# Altium PCB PCB SOM AM625.PcbDoc (part 2 of 6) (continued)
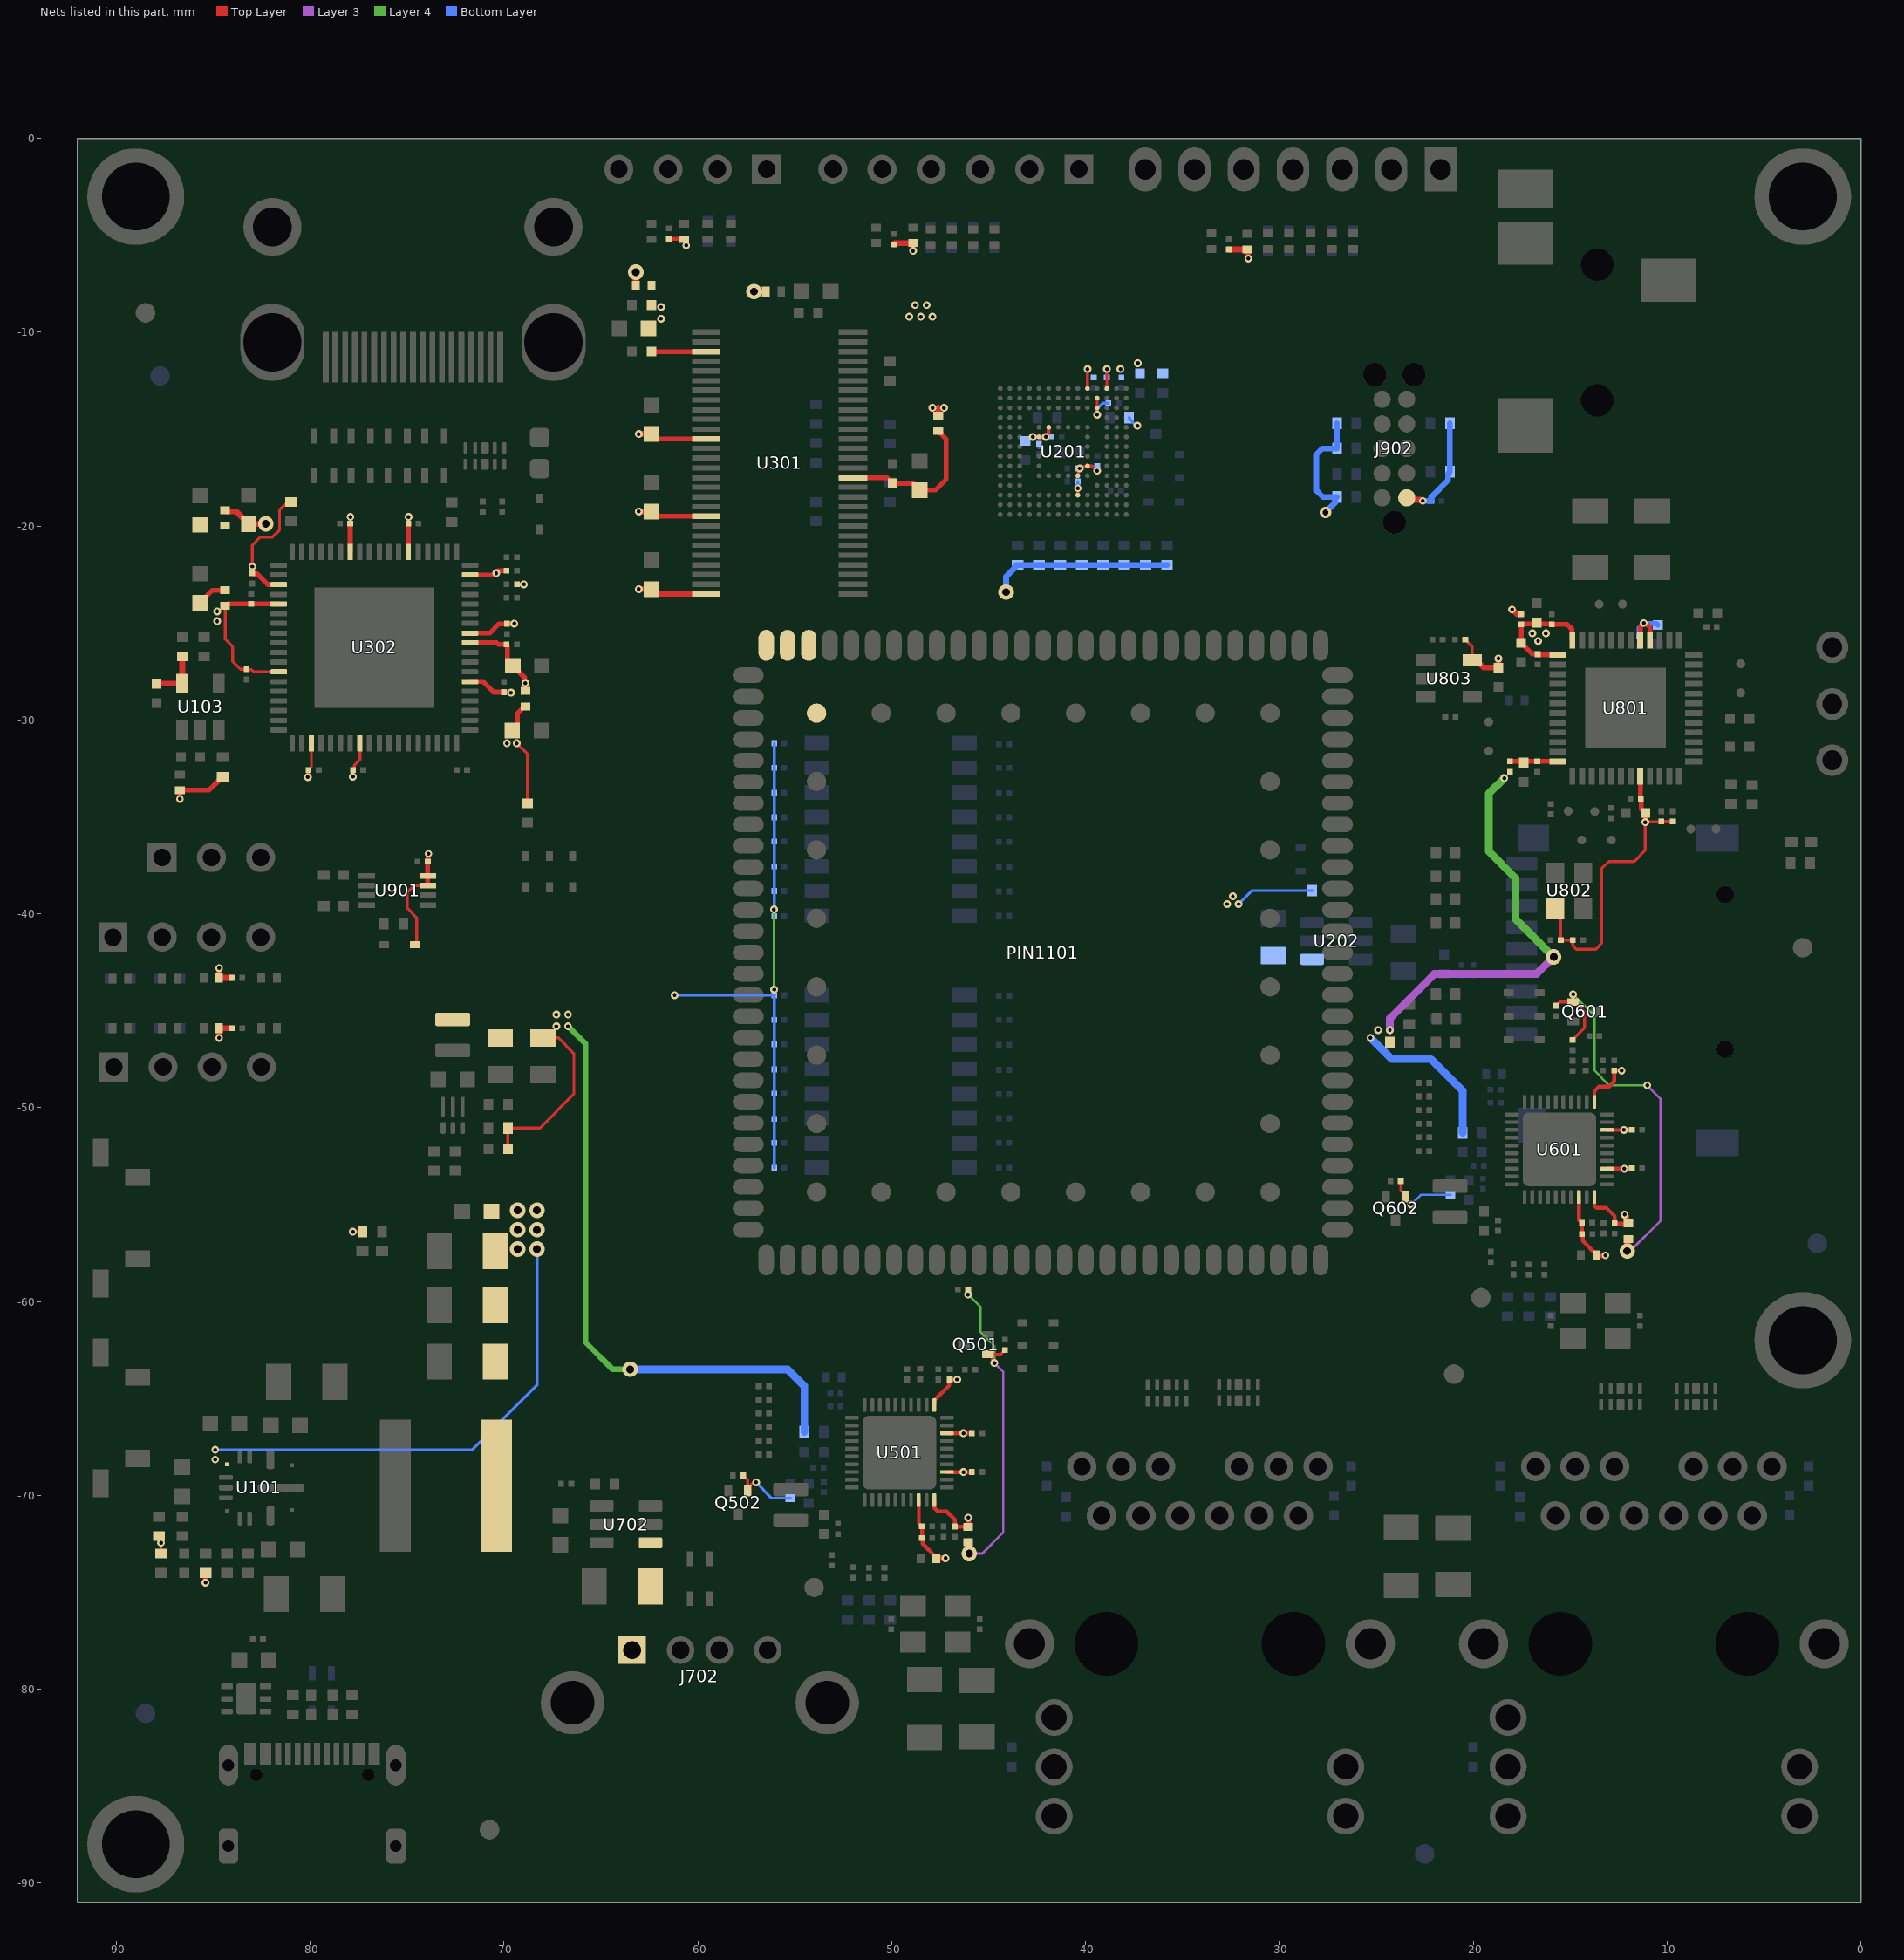
[diagram p6: the nets of this part, all layers, seen from the top]
## Part data (continued)
C302 C303 C304 C305 C307 C309: library part C1608X7R1E104K080AA, "Multilayer Ceramic Capacitor, 0.1 uF, 25 V, ± 10%, X7R, 0603 [1608 Metric]", Case/Package=0603, Case Code (Metric)=1608, Dielectric=X7R, Dielectric Material=4241ConductorMaterial, Manufacturer=TDK, Max Operating Temperature=125°C, Min Operating Temperature=-55°C, Package Quantity=4000, Tolerance=10%, VOLTAGE=25V, Capacitance=100nF, Case Code (Imperial)=0603, Category="Ceramic Capacitors", ComponentLink1Description=https://datasheet.ciiva.com/22749/1744655-22749596.pdf?src-supplier=Element14, ComponentLink1URL=https://datasheet.ciiva.com/22749/1744655-22749596.pdf?src-supplier=Element14, ComponentLink2Description=https://datasheet.ciiva.com/6250/tdkmlcccaprange-6250455.pdf?src-supplier=Digi-Key, ComponentLink2URL=https://datasheet.ciiva.com/6250/tdkmlcccaprange-6250455.pdf?src-supplier=Digi-Key, ComponentLink3Description=https://datasheet.ciiva.com/6250/tdkmlcccaprange-6250454.pdf?src-supplier=Digi-Key, ComponentLink3URL=https://datasheet.ciiva.com/6250/tdkmlcccaprange-6250454.pdf?src-supplier=Digi-Key, ComponentLink4Description=https://datasheet.ciiva.com/6250/tdkmlcccaprange-6250456.pdf?src-supplier=Digi-Key, ComponentLink4URL=https://datasheet.ciiva.com/6250/tdkmlcccaprange-6250456.pdf?src-supplier=Digi-Key, Construction=Flat, Depth=0.8mm, Height=0.8mm, Lead Free=5697LeadFree, Length=1.6mm, Manufacturer Part Number=C1608X7R1E104K080AA, Material=4241ConductorMaterial, Mount="Surface Mount", Number of Pins=2NUMBER, Packaging="Tape and Reel", Pricing 1="1=0.0528, 10=0.0066 (USD)", Reach SVHC Compliant=No, RoHS=Yes, RoHS Compliant=Yes, Series=C, Stock 1=20, Supplier 1="Arrow Electronics", Supplier Part Number 1=C1608X7R1E104K080AA, Thickness=0.037inch, Voltage Rating=25V, Width=0.031inch
C306 C308 C310: library part C0402C103K4REC7411, "ESD SMD Comm X7R 0402 (1005Metric) ceramic capacitor 0.039Lx0.020W 1.00mmx0.50mm X7R ±10% 10000pF", Manufacturer=KEMET, Supplier Part Number 1=80-C0402C103K4RECLR, Category="Ceramic Capacitors", ComponentLink1Description=https://api.kemet.com/component-edge/download/datasheet/C0402C103K4REC7411.pdf?src-supplier=Digi-Key, ComponentLink1URL=https://api.kemet.com/component-edge/download/datasheet/C0402C103K4REC7411.pdf?src-supplier=Digi-Key, Manufacturer Part Number=C0402C103K4REC7411, Pricing 1="1=0.1, 10=0.041, 50=0.041, 100=0.024, 1000=0.02, 10000=0.015 (USD)", RoHS=Yes, RoHS Compliant=Yes, Stock 1=20602, Supplier 1=Mouser
C502 C504 C506 C508 C510 C511 C512 C513 C515 C602 C604 C606 C608 C610 C611 C612 C613 C615: library part CC0201KRX5R6BB104, "Multilayer Ceramic Capacitor, 0.1 uF, 16 V, ± 10%, X5R, 0201 [0603 Metric]", Case Code (Imperial)=0201, Case Code (Metric)=0603, Dielectric=X5R, Manufacturer=Yageo, Max Operating Temperature=85°C, Min Operating Temperature=-55°C, Supplier Part Number 1=5050553, Tolerance=10%, Voltage Rating=10V, Capacitance=100nF, Case/Package=0201, Category="Ceramic Capacitors", ComponentLink1Description=https://datasheet.ciiva.com/11587/upy-gphc-x5r-4v-to-50v-12-11587190.pdf?src-supplier=Avnet, ComponentLink1URL=https://datasheet.ciiva.com/11587/upy-gphc-x5r-4v-to-50v-12-11587190.pdf?src-supplier=Avnet, Construction=Flat, Depth=0.3mm, Halogen Free=5694HalogenFree, Height=0.3mm, Lead Free=5697LeadFree, Length=0.6mm, Manufacturer Part Number=CC0201KRX5R6BB104, Material=4241ConductorMaterial, Mount="Surface Mount", Packaging="Tape and Reel", Pricing 1="15000=0.0027, 60000=0.0026, 150000=0.0025, 375000=0.0024, 600000=0.0023 (USD)", Radiation Hardening=No, RoHS=Yes, RoHS Compliant=Yes, Series=CC, Stock 1=10410000, Supplier 1="Future Electronics", Termination=SMD/SMT, Voltage Rating (DC)=10V, Weight=6E-06oz
C503 C507 C509 C603 C607 C609: library part CC0201MRX5R5BB105, "Multilayer Ceramic Capacitor, 1 uF, 50 V, ± 0.1pF, C0G (NP0), 0201 [1005 Metric]", Case Code (Imperial)=0201, Case Code (Metric)=0603, Dielectric=X5R, Manufacturer=Yageo, Max Operating Temperature=85°C, Min Operating Temperature=-55°C, Tolerance=20%, Voltage Rating=6.3V, Capacitance=1uF, Case/Package=0201, Category="Ceramic Capacitors", ComponentLink1Description=http://www.mouser.com/ds/2/447/UPY-GPHC_X5R_4V-to-50V_25-1131599.pdf?src-supplier=Mouser, ComponentLink1URL=http://www.mouser.com/ds/2/447/UPY-GPHC_X5R_4V-to-50V_25-1131599.pdf?src-supplier=Mouser, ComponentLink2Description=http://www.yageo.com/documents/recent/UPY-GPHC_X5R_4V-to-50V_25.pdf?src-supplier=Digi-Key, ComponentLink2URL=http://www.yageo.com/documents/recent/UPY-GPHC_X5R_4V-to-50V_25.pdf?src-supplier=Digi-Key, ComponentLink3Description=https://datasheet.octopart.com/CC0201MRX5R5BB105-Yageo-datasheet-140260304.pdf?src-supplier=Newark, ComponentLink3URL=https://datasheet.octopart.com/CC0201MRX5R5BB105-Yageo-datasheet-140260304.pdf?src-supplier=Newark, ComponentLink4Description=https://datasheet.octopart.com/CC0201MRX5R5BB105-Yageo-datasheet-170350636.pdf?src-supplier=Future+Electronics, ComponentLink4URL=https://datasheet.octopart.com/CC0201MRX5R5BB105-Yageo-datasheet-170350636.pdf?src-supplier=Future+Electronics, ComponentLink5Description=https://www.yageo.com/upload/media/product/productsearch/datasheet/mlcc/UPY-GPHC_X5R_4V-to-50V_26.pdf?src-supplier=Digi-Key, ComponentLink5URL=https://www.yageo.com/upload/media/product/productsearch/datasheet/mlcc/UPY-GPHC_X5R_4V-to-50V_26.pdf?src-supplier=Digi-Key, ComponentLink6Description=http://www.yageo.com/exep/pages/download/literatures/ProductSelectionGuide%202014_Final_2.pdf?src-supplier=Digi-Key, ComponentLink6URL=http://www.yageo.com/exep/pages/download/literatures/ProductSelectionGuide%202014_Final_2.pdf?src-supplier=Digi-Key, Halogen Free="Halogen Free", Height=330um, Lead Free="Lead Free", Manufacturer Part Number=CC0201MRX5R5BB105, Material=4241ConductorMaterial, Mount="Surface Mount", Packaging="Tape and Reel", Pricing 1="1=0.0528, 10=0.0235, 25=0.0164, 100=0.0113, 250=0.0112, 500=0.0095, 1000=0.0081, 3000=0.0066 (USD)", RoHS=Yes, RoHS Compliant=Yes, Series=CC, Stock 1=4273, Supplier 1="Arrow Electronics", Supplier Part Number 1=CC0201MRX5R5BB105, Termination=SMD/SMT, Voltage Rating (DC)=6.3V, Weight=6E-06oz
C516 C517 C518 C519 C520 C616 C617 C618 C619 C620: library part C1005X5R1H104K050BB, "Multilayer Ceramic Capacitor, 0.1 uF, 50 V, ± 10%, X5R, 0402 [1005 Metric]", Case Code (Imperial)=0402, Case Code (Metric)=1005, Dielectric=X5R, Manufacturer=TDK, Max Operating Temperature=85°C, Min Operating Temperature=-55°C, Supplier Part Number 1=445-5942-1-ND, Tolerance=10%, VOLTAGE=50V, Capacitance=100nF, Case/Package=0402, Category="Ceramic Capacitors", ComponentLink1Description=https://datasheet.ciiva.com/26946/getdatasheetpartid-743571-26946503.pdf?src-supplier=Verical, ComponentLink1URL=https://datasheet.ciiva.com/26946/getdatasheetpartid-743571-26946503.pdf?src-supplier=Verical, ComponentLink2Description=https://datasheet.ciiva.com/16494/e413-c-16494264.pdf?src-supplier=Future+Electronics, ComponentLink2URL=https://datasheet.ciiva.com/16494/e413-c-16494264.pdf?src-supplier=Future+Electronics, ComponentLink3Description=https://datasheet.ciiva.com/6292/tdkmlcccaprange-6292486.pdf?src-supplier=Digi-Key, ComponentLink3URL=https://datasheet.ciiva.com/6292/tdkmlcccaprange-6292486.pdf?src-supplier=Digi-Key, Construction=Flat, Depth=0.5mm, Height=0.5mm, Length=1mm, Manufacturer Part Number=C1005X5R1H104K050BB, Mount="Surface Mount", Packaging="Tape and Reel", Pricing 1="1=0.11, 10=0.076, 50=0.0438, 100=0.034, 500=0.0256, 1000=0.02011, 2500=0.01828, 5000=0.01682 (USD)", Radiation Hardening=No, Reach SVHC Compliant=Unknown, RoHS=Yes, RoHS Compliant=Yes, Series=C, Stock 1=1455249, Supplier 1=Digi-Key, Voltage Rating=50V
C521 C522 C621 C622: library part CC0201JRNPO9BN220, "0201 22 pF 50 V ±5 % Tolerance NP0 SMT Multilayer Ceramic Capacitor", Manufacturer=Yageo, Supplier Part Number 1=2014702, Category="Ceramic Capacitors", ComponentLink1Description=https://datasheet.ciiva.com/22653/1443161-22653023.pdf?src-supplier=Farnell, ComponentLink1URL=https://datasheet.ciiva.com/22653/1443161-22653023.pdf?src-supplier=Farnell, ComponentLink2Description=https://datasheet.ciiva.com/7661/1443161-7661754.pdf?src-supplier=Element14, ComponentLink2URL=https://datasheet.ciiva.com/7661/1443161-7661754.pdf?src-supplier=Element14, ComponentLink3Description=https://datasheet.ciiva.com/176/mlccorderingcode-176669.pdf?src-supplier=Digi-Key, ComponentLink3URL=https://datasheet.ciiva.com/176/mlccorderingcode-176669.pdf?src-supplier=Digi-Key, ComponentLink4Description=https://datasheet.ciiva.com/176/mlccorderingcode-176670.pdf?src-supplier=Digi-Key, ComponentLink4URL=https://datasheet.ciiva.com/176/mlccorderingcode-176670.pdf?src-supplier=Digi-Key, ComponentLink5Description=https://datasheet.ciiva.com/176/mlccorderingcode-176671.pdf?src-supplier=Digi-Key, ComponentLink5URL=https://datasheet.ciiva.com/176/mlccorderingcode-176671.pdf?src-supplier=Digi-Key, ComponentLink6Description=https://datasheet.ciiva.com/16743/upy-gp-np0-16v-to-50v-8-16743595.pdf?src-supplier=Future+Electronics, ComponentLink6URL=https://datasheet.ciiva.com/16743/upy-gp-np0-16v-to-50v-8-16743595.pdf?src-supplier=Future+Electronics, Halogen Free=5694HalogenFree, Manufacturer Part Number=CC0201JRNPO9BN220, Pricing 1="15000=0.0012, 60000=0.0011, 225000=0.0011, 600000=0.001, 1500000=0.001 (USD)", RoHS=Yes, Stock 1=2130000, Supplier 1="Future Electronics"
C523 C623: library part C1206C102KDRACAUTO, "Cap Ceramic 0.001uF 1000V X7R 10% Pad SMD 1206 125°C Low ESR Automotive Medical T/R", Dielectric Material=4241ConductorMaterial, Manufacturer=KEMET, Supplier Part Number 1=80-C1206C102KDRAUTO, Category="Ceramic Capacitors", ComponentLink1Description=http://www.mouser.com/ds/2/212/KEM_C1010_X7R_HV_SMD-345925.pdf?src-supplier=Mouser, ComponentLink1URL=http://www.mouser.com/ds/2/212/KEM_C1010_X7R_HV_SMD-345925.pdf?src-supplier=Mouser, ComponentLink2Description=https://api.kemet.com/component-edge/download/datasheet/C1206C102KDRACAUTO.pdf?src-supplier=Digi-Key, ComponentLink2URL=https://api.kemet.com/component-edge/download/datasheet/C1206C102KDRACAUTO.pdf?src-supplier=Digi-Key, ComponentLink3Description=https://api.kemet.com/component-edge/download/specsheet/C1206C102KDRACAUTO.pdf?src-supplier=Digi-Key, ComponentLink3URL=https://api.kemet.com/component-edge/download/specsheet/C1206C102KDRACAUTO.pdf?src-supplier=Digi-Key, ComponentLink4Description=http://www.farnell.com/datasheets/2747389.pdf?src-supplier=Newark, ComponentLink4URL=http://www.farnell.com/datasheets/2747389.pdf?src-supplier=Newark, ComponentLink5Description=https://datasheet.octopart.com/C1206C102KDRACAUTO-KEMET-datasheet-149525139.pdf?src-supplier=Farnell, ComponentLink5URL=https://datasheet.octopart.com/C1206C102KDRACAUTO-KEMET-datasheet-149525139.pdf?src-supplier=Farnell, Manufacturer Part Number=C1206C102KDRACAUTO, Pricing 1="1=0.29, 10=0.122, 50=0.122, 100=0.076, 1000=0.07, 10000=0.061 (USD)", RoHS=Yes, Stock 1=30132, Supplier 1=Mouser
C704: library part C3216X5R1A107M160AC, "Multilayer Ceramic Capacitor, C Series, 100 - F, - 20%, X5R, 10 V, 1206 [3216 Metric]", Case/Package=1206, Case Code (Metric)=3216, Dielectric=X5R, Dielectric Material=Ceramic, Manufacturer=TDK, Max Operating Temperature=85°C, Min Operating Temperature=-55°C, Package Quantity=1, Tolerance=20%, VOLTAGE=10V, Capacitance=100uF, Case Code (Imperial)=1206, Category="Ceramic Capacitors", ComponentLink1Description=https://datasheet.ciiva.com/24216/c3216x5r1a107m160ac-265050-24216592.pdf?src-supplier=Mouser, ComponentLink1URL=https://datasheet.ciiva.com/24216/c3216x5r1a107m160ac-265050-24216592.pdf?src-supplier=Mouser, ComponentLink2Description=https://datasheet.ciiva.com/7975/1796654-7975125.pdf?src-supplier=Element14, ComponentLink2URL=https://datasheet.ciiva.com/7975/1796654-7975125.pdf?src-supplier=Element14, ComponentLink3Description=https://datasheet.ciiva.com/22694/1796654-22694157.pdf?src-supplier=Element14, ComponentLink3URL=https://datasheet.ciiva.com/22694/1796654-22694157.pdf?src-supplier=Element14, ComponentLink4Description=https://datasheet.ciiva.com/22725/1913358-22725579.pdf?src-supplier=Element14, ComponentLink4URL=https://datasheet.ciiva.com/22725/1913358-22725579.pdf?src-supplier=Element14, ComponentLink5Description=https://datasheet.ciiva.com/28620/mlcc-commercial-general-en-28620362.pdf?src-supplier=Element14, ComponentLink5URL=https://datasheet.ciiva.com/28620/mlcc-commercial-general-en-28620362.pdf?src-supplier=Element14, ComponentLink6Description=https://datasheet.ciiva.com/6284/tdkmlcccaprange-6284586.pdf?src-supplier=Digi-Key, ComponentLink6URL=https://datasheet.ciiva.com/6284/tdkmlcccaprange-6284586.pdf?src-supplier=Digi-Key, ComponentLink7Description=https://datasheet.ciiva.com/6284/tdkmlcccaprange-6284584.pdf?src-supplier=Digi-Key, ComponentLink7URL=https://datasheet.ciiva.com/6284/tdkmlcccaprange-6284584.pdf?src-supplier=Digi-Key, ComponentLink8Description=https://datasheet.ciiva.com/6284/tdkmlcccaprange-6284588.pdf?src-supplier=Digi-Key, ComponentLink8URL=https://datasheet.ciiva.com/6284/tdkmlcccaprange-6284588.pdf?src-supplier=Digi-Key, ComponentLink9Description=https://datasheet.ciiva.com/16482/e412-c-16482549.pdf?src-supplier=Future+Electronics, ComponentLink9URL=https://datasheet.ciiva.com/16482/e412-c-16482549.pdf?src-supplier=Future+Electronics, ComponentLink10Description=https://datasheet.ciiva.com/48671/e412-c-48671366.pdf?src-supplier=Avnet, ComponentLink10URL=https://datasheet.ciiva.com/48671/e412-c-48671366.pdf?src-supplier=Avnet, Construction=Flat, Depth=1.6mm, Height=1.6mm, Lead Free="Lead Free", Length=3.2mm, Manufacturer Part Number=C3216X5R1A107M160AC, Material=4241ConductorMaterial, Mount="Surface Mount", Packaging="Tape and Reel", Pricing 1="2000=0.4841 (USD)", Reach SVHC Compliant=No, RoHS=Yes, RoHS Compliant=Yes, Series=C, Stock 1=18000, Supplier 1="Arrow Electronics", Supplier Part Number 1=C3216X5R1A107M160AC, Termination=SMD/SMT, Thickness=0.075inch, Voltage Rating=10V, Voltage Rating (DC)=10V, Weight=0.000571oz, Width=0.063inch
C801 C803 C805 C806 C809: library part GRM155R61A106ME11D, "Multilayer Ceramic Capacitor, 10 uF, 10 V, ± 20%, X5R, 0402 [1005 Metric]", Case/Package=343Case, Dielectric=1537DielectricType, Manufacturer=Murata, Max Operating Temperature=85°C, Min Operating Temperature=-55°C, Tolerance=20%, Voltage Rating=10V, Capacitance=10uF, Category="Ceramic Capacitors", ComponentLink1Description=https://datasheet.octopart.com/GRM155R61A106ME11D-Murata-datasheet-155239053.pdf?src-supplier=Element14, ComponentLink1URL=https://datasheet.octopart.com/GRM155R61A106ME11D-Murata-datasheet-155239053.pdf?src-supplier=Element14, ComponentLink2Description=https://datasheet.octopart.com/GRM155R61A106ME11D-Murata-datasheet-165579666.pdf?src-supplier=TME, ComponentLink2URL=https://datasheet.octopart.com/GRM155R61A106ME11D-Murata-datasheet-165579666.pdf?src-supplier=TME, Height=700um, Length=1mm, Manufacturer Part Number=GRM155R61A106ME11D, Material=4241ConductorMaterial, Pricing 1="1=0.08, 10=0.054, 25=0.0281 (USD)", RoHS=Yes, RoHS Compliant=Yes, Stock 1=100072, Supplier 1="Arrow Electronics", Supplier Part Number 1=GRM155R61A106ME11D, Thickness=500um, Voltage Rating (DC)=10V, Width=500um
C802 C804 C807 C808 C810 C813 C814 C818: library part GRM033R61C104KE14D, "Multilayer Ceramic Capacitor, 0.1 uF, 16 V, ± 10%, X5R, 0201 [0603 Metric]", Capacitance=100nF, Case Code (Imperial)=0201, Case Code (Metric)=0603, Dielectric=X5R, Manufacturer=Murata, Max Operating Temperature=85°C, Min Operating Temperature=-55°C, Tolerance=10%, Voltage Rating=16V, Case/Package=0201, Category="Ceramic Capacitors", ComponentLink1Description=http://www.farnell.com/datasheets/2892233.pdf?src-supplier=Farnell, ComponentLink1URL=http://www.farnell.com/datasheets/2892233.pdf?src-supplier=Farnell, ComponentLink2Description=http://www.farnell.com/datasheets/2892233.pdf?src-supplier=Newark, ComponentLink2URL=http://www.farnell.com/datasheets/2892233.pdf?src-supplier=Newark, ComponentLink3Description=http://search.murata.co.jp/Ceramy/image/img/A01X/G101/ENG/GRM033R61C104KE14-01.pdf?src-supplier=Digikey, ComponentLink3URL=http://search.murata.co.jp/Ceramy/image/img/A01X/G101/ENG/GRM033R61C104KE14-01.pdf?src-supplier=Digikey, ComponentLink4Description=https://search.murata.co.jp/Ceramy/image/img/A01X/G101/ENG/GRM033R61C104KE14-01.pdf?src-supplier=Digikey, ComponentLink4URL=https://search.murata.co.jp/Ceramy/image/img/A01X/G101/ENG/GRM033R61C104KE14-01.pdf?src-supplier=Digikey, ComponentLink5Description=https://datasheet.octopart.com/GRM033R61C104KE14D-Murata-datasheet-165579666.pdf?src-supplier=TME, ComponentLink5URL=https://datasheet.octopart.com/GRM033R61C104KE14D-Murata-datasheet-165579666.pdf?src-supplier=TME, Height=330um, Length=600um, Manufacturer Part Number=GRM033R61C104KE14D, Material=4241ConductorMaterial, Mount="Surface Mount", Packaging="Tape and Reel", Pricing 1="15000=0.0039 (USD)", RoHS=Yes, RoHS Compliant=Yes, Series=GRM, Stock 1=8280000, Supplier 1="Arrow Electronics", Supplier Part Number 1=GRM033R61C104KE14D, Thickness=300um, Voltage Rating (DC)=16V, Width=300um
C811 C812 C819: library part GRM155R71H104KE14D, "Multilayer Ceramic Capacitor, 0.1 uF, 50 V, ± 10%, X7R, 0402 [1005 Metric]", Capacitance=100nF, Case Code (Imperial)=0402, Case Code (Metric)=1005, Dielectric=X7R, Dielectric Material=Ceramic, Manufacturer=Murata, Max Operating Temperature=125°C, Min Operating Temperature=-55°C, Package Quantity=10000, Tolerance=10%, VOLTAGE=50V, Case/Package=0402, Category="Ceramic Capacitors", ComponentLink1Description=http://www.farnell.com/datasheets/2079156.pdf?src-supplier=Farnell, ComponentLink1URL=http://www.farnell.com/datasheets/2079156.pdf?src-supplier=Farnell, ComponentLink2Description=http://www.mouser.com/ds/2/281/c02e-2905.pdf?src-supplier=Mouser, ComponentLink2URL=http://www.mouser.com/ds/2/281/c02e-2905.pdf?src-supplier=Mouser, ComponentLink3Description=https://datasheet.octopart.com/GRM155R71H104KE14D-Murata-datasheet-22122223.pdf?src-supplier=Future+Electronics, ComponentLink3URL=https://datasheet.octopart.com/GRM155R71H104KE14D-Murata-datasheet-22122223.pdf?src-supplier=Future+Electronics, ComponentLink4Description=http://www.farnell.com/datasheets/2079156.pdf?src-supplier=Newark, ComponentLink4URL=http://www.farnell.com/datasheets/2079156.pdf?src-supplier=Newark, ComponentLink5Description=https://datasheet.octopart.com/GRM155R71H104KE14D-Murata-datasheet-66077078.pdf?src-supplier=Element14, ComponentLink5URL=https://datasheet.octopart.com/GRM155R71H104KE14D-Murata-datasheet-66077078.pdf?src-supplier=Element14, ComponentLink6Description=https://search.murata.co.jp/Ceramy/image/img/A01X/G101/ENG/GRM155R71H104KE14-01.pdf?src-supplier=Digikey, ComponentLink6URL=https://search.murata.co.jp/Ceramy/image/img/A01X/G101/ENG/GRM155R71H104KE14-01.pdf?src-supplier=Digikey, Construction=Flat, Depth=0.5mm, Dissipation Factor=0.025%, Height=0.5mm, Lead Free=5697LeadFree, Length=1mm, Manufacturer Part Number=GRM155R71H104KE14D, Material=Ceramic, Mount="Surface Mount", Number of Pins=2NUMBER, Packaging="Tape and Reel", Pricing 1="10000=0.0046, 30000=0.0042, 50000=0.0037, 100000=0.0028 (USD)", Reach SVHC Compliant=No, RoHS=Yes, RoHS Compliant=Yes, Series=GRM, Stock 1=6020000, Supplier 1="Arrow Electronics", Supplier Part Number 1=GRM155R71H104KE14D, Termination=SMD/SMT, Thickness=0.022inch, Voltage Rating=50V, Voltage Rating (DC)=50V, Weight=0.000212oz, Width=0.5mm
C815 C816: library part GRM31CR61A476ME15L, "Multilayer Ceramic Capacitor, 47 uF, 10 V, ± 20%, X5R, 1206 [3216 Metric]", Manufacturer=Murata, Category="Ceramic Capacitors", ComponentLink1Description=https://datasheet.ciiva.com/6031/1697710-6031936.pdf?src-supplier=Farnell, ComponentLink1URL=https://datasheet.ciiva.com/6031/1697710-6031936.pdf?src-supplier=Farnell, ComponentLink2Description=https://datasheet.ciiva.com/3779/2151grm31cr61a476me1523-3779480.pdf?src-supplier=Arrow+Electronics, ComponentLink2URL=https://datasheet.ciiva.com/3779/2151grm31cr61a476me1523-3779480.pdf?src-supplier=Arrow+Electronics, ComponentLink3Description=https://datasheet.ciiva.com/16461/product-16461242.pdf?src-supplier=Future+Electronics, ComponentLink3URL=https://datasheet.ciiva.com/16461/product-16461242.pdf?src-supplier=Future+Electronics, ComponentLink4Description=https://datasheet.ciiva.com/7719/1697710-7719146.pdf?src-supplier=Element14, ComponentLink4URL=https://datasheet.ciiva.com/7719/1697710-7719146.pdf?src-supplier=Element14, ComponentLink5Description=https://datasheet.ciiva.com/5416/product-5416711.pdf?src-supplier=Mouser, ComponentLink5URL=https://datasheet.ciiva.com/5416/product-5416711.pdf?src-supplier=Mouser, ComponentLink6Description=https://datasheet.ciiva.com/14116/grmseries-highdielectrictype-eng-14116399.pdf?src-supplier=Distrelec, ComponentLink6URL=https://datasheet.ciiva.com/14116/grmseries-highdielectrictype-eng-14116399.pdf?src-supplier=Distrelec, ComponentLink7Description=https://datasheet.ciiva.com/11606/product-11606488.pdf?src-supplier=Avnet, ComponentLink7URL=https://datasheet.ciiva.com/11606/product-11606488.pdf?src-supplier=Avnet, ComponentLink8Description=https://datasheet.ciiva.com/141/partnumbering-e-01-141779.pdf?src-supplier=Digikey, ComponentLink8URL=https://datasheet.ciiva.com/141/partnumbering-e-01-141779.pdf?src-supplier=Digikey, ComponentLink9Description=https://datasheet.ciiva.com/141/partnumbering-e-01-141780.pdf?src-supplier=Digikey, ComponentLink9URL=https://datasheet.ciiva.com/141/partnumbering-e-01-141780.pdf?src-supplier=Digikey, ComponentLink10Description=https://datasheet.ciiva.com/141/partnumbering-e-01-141781.pdf?src-supplier=Digikey, ComponentLink10URL=https://datasheet.ciiva.com/141/partnumbering-e-01-141781.pdf?src-supplier=Digikey, Manufacturer Part Number=GRM31CR61A476ME15L, Pricing 1="2000=0.1162, 4000=0.1078, 10000=0.0977, 50000=0.0818 (USD)", RoHS=Yes, Stock 1=120000, Supplier 1="Arrow Electronics", Supplier Part Number 1=GRM31CR61A476ME15L
C817: library part GRM155R71A474KE01D, "Multilayer Ceramic Capacitor, 0.47 uF, 10 V, ± 10%, X7R, 0402 [1005 Metric]", Capacitance=470nF, Case/Package=0402, Manufacturer=Murata, Max Operating Temperature=125°C, Min Operating Temperature=-55°C, Tolerance=10%, Voltage Rating=10V, Category="Ceramic Capacitors", ComponentLink1Description=https://datasheet.octopart.com/GRM155R71A474KE01D-Murata-datasheet-149523060.pdf?src-supplier=Newark, ComponentLink1URL=https://datasheet.octopart.com/GRM155R71A474KE01D-Murata-datasheet-149523060.pdf?src-supplier=Newark, ComponentLink2Description=https://datasheet.octopart.com/GRM155R71A474KE01D-Murata-datasheet-32479577.pdf?src-supplier=Future+Electronics, ComponentLink2URL=https://datasheet.octopart.com/GRM155R71A474KE01D-Murata-datasheet-32479577.pdf?src-supplier=Future+Electronics, ComponentLink3Description=http://search.murata.co.jp/Ceramy/image/img/A01X/G101/ENG/GRM155R71A474KE01-01.pdf?src-supplier=Digikey, ComponentLink3URL=http://search.murata.co.jp/Ceramy/image/img/A01X/G101/ENG/GRM155R71A474KE01-01.pdf?src-supplier=Digikey, ComponentLink4Description=https://datasheet.octopart.com/GRM155R71A474KE01D-Murata-datasheet-165579666.pdf?src-supplier=TME, ComponentLink4URL=https://datasheet.octopart.com/GRM155R71A474KE01D-Murata-datasheet-165579666.pdf?src-supplier=TME, Height=0.3mm, Lead Free="Lead Free", Length=1mm, Manufacturer Part Number=GRM155R71A474KE01D, Material=Ceramic, Number of Pins=2NUMBER, Pricing 1="1=0.1817, 10=0.1593, 25=0.1555, 100=0.1462, 250=0.1449, 500=0.1371, 1000=0.1361, 3000=0.1351, 6000=0.1341, 15000=0.1331, 30000=0.1322, 75000=0.1312 (USD)", RoHS=Yes, RoHS Compliant=Yes, Stock 1=75675, Supplier 1="Arrow Electronics", Supplier Part Number 1=GRM155R71A474KE01D, Thickness=500um, Voltage Rating (DC)=10V, Width=0.5mm
D201 D202 D203 D204 D205 D301 D303 D304 D305 D503 D504 D505 D603 D604 D605 D905: "Diode Schottky 30V 0.2A 2-Pin SOD-523 T/R - Product that comes on tape, but is not reeled", Average Rectified Current=200mA, Case/Package=SOD-523-2, Forward Voltage=600mV, Manufacturer="ON Semiconductor", Max Operating Temperature=150°C, Max Repetitive Reverse Voltage (Vrrm)=30V, Max Reverse Current=1uA, Min Operating Temperature=-55°C, Package Quantity=3000, Power Dissipation=200mW, Supplier Part Number 1=7657109, Category="Schottky Diodes", ComponentLink1Description=https://datasheet.ciiva.com/915/rb520s30t1-d-915377.pdf?src-supplier=Avnet, ComponentLink1URL=https://datasheet.ciiva.com/915/rb520s30t1-d-915377.pdf?src-supplier=Avnet, ComponentLink2Description=https://datasheet.ciiva.com/915/rb520s30t1-d-915377.pdf?src-supplier=Digi-Key, ComponentLink2URL=https://datasheet.ciiva.com/915/rb520s30t1-d-915377.pdf?src-supplier=Digi-Key, ComponentLink3Description=https://datasheet.ciiva.com/22659/1708342-22659126.pdf?src-supplier=Element14, ComponentLink3URL=https://datasheet.ciiva.com/22659/1708342-22659126.pdf?src-supplier=Element14, ComponentLink4Description=https://datasheet.ciiva.com/4715/rb520s30t1-d-101117-4715113.pdf?src-supplier=Mouser, ComponentLink4URL=https://datasheet.ciiva.com/4715/rb520s30t1-d-101117-4715113.pdf?src-supplier=Mouser, ComponentLink5Description=https://datasheet.ciiva.com/16210/rb520s30t1-d-16210917.pdf?src-supplier=Future+Electronics, ComponentLink5URL=https://datasheet.ciiva.com/16210/rb520s30t1-d-16210917.pdf?src-supplier=Future+Electronics, ComponentLink6Description=https://datasheet.ciiva.com/8292/rb520s30t1-d-8292399.pdf?src-supplier=Avnet, ComponentLink6URL=https://datasheet.ciiva.com/8292/rb520s30t1-d-8292399.pdf?src-supplier=Avnet, ComponentLink7Description=https://datasheet.ciiva.com/915/rb520s30t1-d-915378.pdf?src-supplier=Digi-Key, ComponentLink7URL=https://datasheet.ciiva.com/915/rb520s30t1-d-915378.pdf?src-supplier=Digi-Key, ComponentLink8Description=https://datasheet.ciiva.com/915/rb520s30t1-d-915379.pdf?src-supplier=Digi-Key, ComponentLink8URL=https://datasheet.ciiva.com/915/rb520s30t1-d-915379.pdf?src-supplier=Digi-Key, Current Rating=200mA, Element Configuration=Single, Forward Current=200mA, Height=0.7mm, Lead Free="Lead Free", Length=1.3mm, Manufacturer Part Number=RB520S30T1G, Max Forward Surge Current (Ifsm)=200mA, Max Reverse Leakage Current=1uA, Max Reverse Voltage (DC)=30V, Number of Pins=2, Output Current=200mA, Packaging="Tape and Reel", Polarity=Standard, Pricing 1="3000=0.0155, 12000=0.0148, 45000=0.0143, 90000=0.0139, 225000=0.0133 (USD)", Radiation Hardening=No, Reach SVHC Compliant=No, RoHS=Yes, RoHS Compliant=Yes, Series=-, Stock 1=33000, Supplier 1="Future Electronics", Voltage Rating (DC)=30V, Width=0.9mm
D206 D207 D208 D209 D210 D211 D212 D701 D702 D901 D902 D903 D904 D906 D907 D908 D909 D910 D911 D912 D913 D914 D915 D916 D917 D918: "1-pF, ±3.6-V, ±30-kV ESD protection diode with 6-A 8/20-uS surge & Low Clamping in 0402 package", Breakdown Voltage=6.4V, Capacitance=1pF, Clamping Voltage=8.5V, Manufacturer="Texas Instruments", Max Operating Temperature=125°C, Min Operating Temperature=-40°C, Peak Pulse Current=6.3A, Peak Pulse Power=50W, Reverse Standoff Voltage=3.6V, Supplier Part Number 1=595-TPD1E1B04DPYR, Category="Integrated Circuits (ICs)", ComponentLink1Description=http://www.ti.com/lit/ds/symlink/tpd1e1b04.pdf?src-supplier=Digi-Key, ComponentLink1URL=http://www.ti.com/lit/ds/symlink/tpd1e1b04.pdf?src-supplier=Digi-Key, ComponentLink2Description=http://www.ti.com/general/docs/suppproductinfo.tsp?distId=10&amp;gotoUrl=http%3A%2F%2Fwww.ti.com%2Flit%2Fgpn%2Ftpd1e1b04&src-supplier=Digi-Key, ComponentLink2URL=http://www.ti.com/general/docs/suppproductinfo.tsp?distId=10&amp;gotoUrl=http%3A%2F%2Fwww.ti.com%2Flit%2Fgpn%2Ftpd1e1b04&src-supplier=Digi-Key, Direction=211Direction, Height=450um, Interface=LVDS,USB,Ethernet, Lead Free="Lead Free", Length=600um, Manufacturer Part Number=TPD1E1B04DPYR, Number of Channels=1, Number of Pins=2NUMBER, Pricing 1="1=0.35, 10=0.28, 50=0.28, 100=0.184, 500=0.144, 1000=0.102, 2500=0.098, 10000=0.085, 20000=0.084, 50000=0.079 (USD)", RoHS=Yes, RoHS Compliant=Yes, Stock 1=57724, Supplier 1=Mouser, Thickness=370um, Width=1mm
D302 D501 D502 D601 D602: "Quad 0.5-pF, 5.5-V, ±12-kV ESD protection diode for USB, HDMI & High Speed Interfaces", Breakdown Voltage=6V, Case/Package=SON, Clamping Voltage=14V, Leakage Current=10nA, Manufacturer="Texas Instruments", Max Operating Temperature=125°C, Max Power Dissipation=40W, Min Operating Temperature=-40°C, Operating Supply Voltage=5.5V, Package Quantity=3000, Peak Pulse Current=2.5A, Power Line Protection=Yes, Supplier Part Number 1=595-TPD4E05U06DQAR, Category="Integrated Circuits (ICs)", ComponentLink1Description=https://datasheet.ciiva.com/15063/tpd4e05u06-15063653.pdf?src-supplier=Digi-Key, ComponentLink1URL=https://datasheet.ciiva.com/15063/tpd4e05u06-15063653.pdf?src-supplier=Digi-Key, ComponentLink2Description=https://datasheet.ciiva.com/24119/slvsbo7f-316827-24119436.pdf?src-supplier=Mouser, ComponentLink2URL=https://datasheet.ciiva.com/24119/slvsbo7f-316827-24119436.pdf?src-supplier=Mouser, ComponentLink3Description=https://datasheet.ciiva.com/26918/getdatasheetpartid-716763-26918024.pdf?src-supplier=Verical, ComponentLink3URL=https://datasheet.ciiva.com/26918/getdatasheetpartid-716763-26918024.pdf?src-supplier=Verical, ComponentLink4Description=https://datasheet.ciiva.com/15063/tpd4e05u06-15063654.pdf?src-supplier=Digi-Key, ComponentLink4URL=https://datasheet.ciiva.com/15063/tpd4e05u06-15063654.pdf?src-supplier=Digi-Key, ComponentLink5Description=https://datasheet.ciiva.com/15063/tpd4e05u06-15063655.pdf?src-supplier=Digi-Key, ComponentLink5URL=https://datasheet.ciiva.com/15063/tpd4e05u06-15063655.pdf?src-supplier=Digi-Key, ComponentLink6Description=https://datasheet.ciiva.com/29883/tpd4e05u06-29883798.pdf?src-supplier=Avnet, ComponentLink6URL=https://datasheet.ciiva.com/29883/tpd4e05u06-29883798.pdf?src-supplier=Avnet, Depth=1.1mm, Direction=Unidirectional, Interface=LVDS,USB,Ethernet,HDMI,PCIe,SATA, Lead Free="Lead Free", Length=2.6mm, Manufacturer Part Number=TPD4E05U06DQAR, Min Breakdown Voltage=6V, Mount="Surface Mount", Number of Channels=4, Number of Pins=10, Number of Unidirectional Channels=4, Packaging="Tape and Reel", Peak Pulse Power=40W, Polarity=Unidirectional, Pricing 1="1=0.58, 10=0.487, 50=0.487, 100=0.339, 500=0.264, 1000=0.216, 3000=0.189, 9000=0.167, 10000=0.167, 24000=0.163, 45000=0.161 (USD)", Radiation Hardening=No, Reach SVHC Compliant=No, Reverse Standoff Voltage=5.5V, RoHS=Yes, RoHS Compliant=Yes, Series=-, Stock 1=35141, Supplier 1=Mouser, Termination=SMD/SMT, Working Voltage=5.5V